# Altium PCB SEG_pressure gauge_don  V2.5.PcbDoc
Units mil, origin at the board's own origin, x right, y up, seen from the top; angles counter-clockwise.
Board outline 2671.27 x 2667.03 mil, 2 copper layers (Top Layer, Bottom Layer); 43 components, 51 nets, 157 pads, 0 vias.
Unrouted connection lines stored in the file: 94.
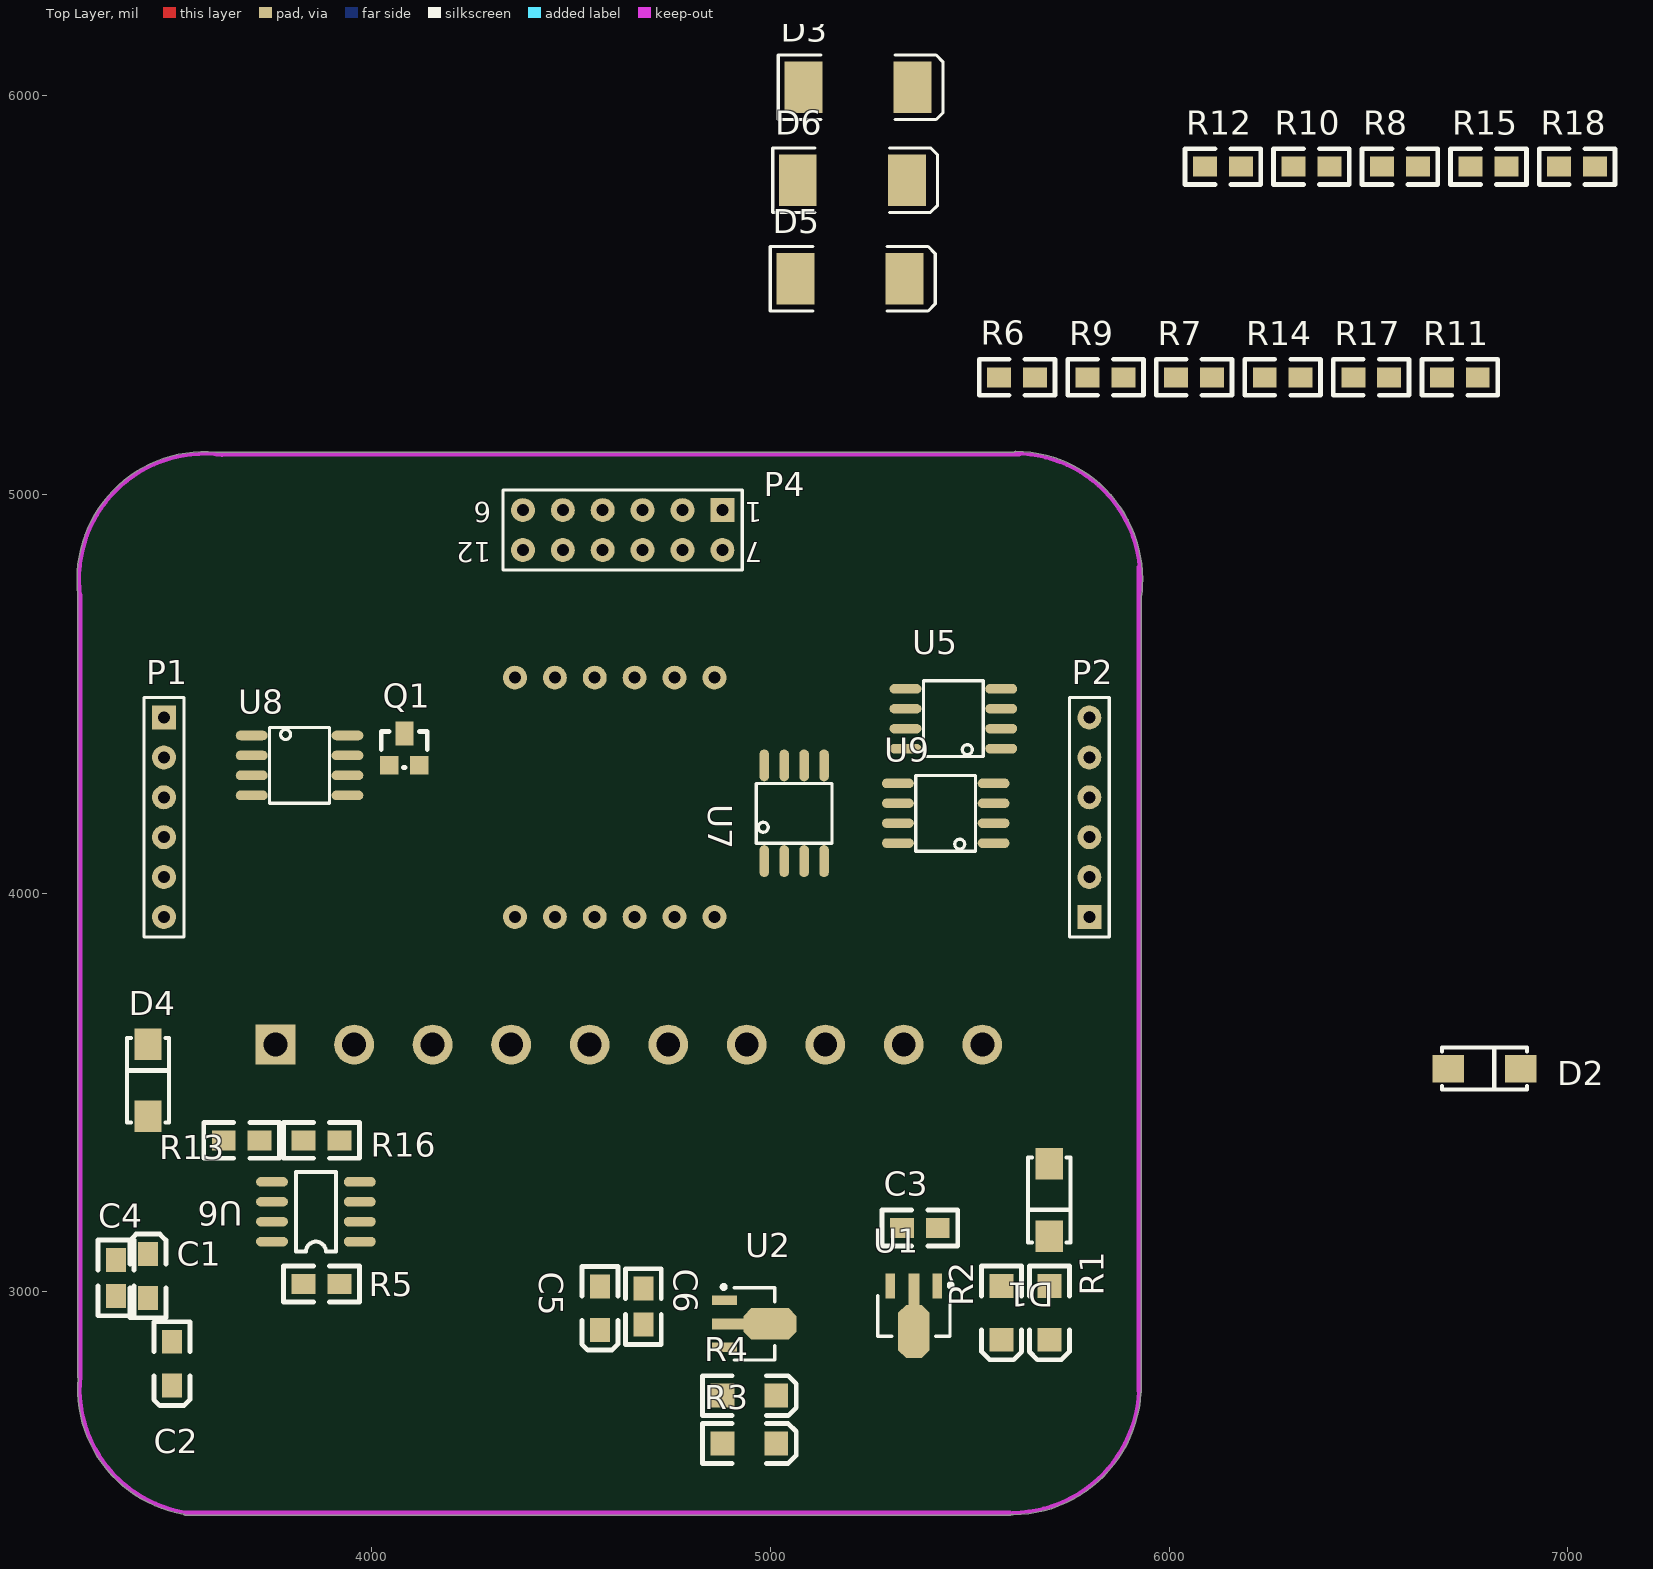
[diagram p0: Top Layer view]
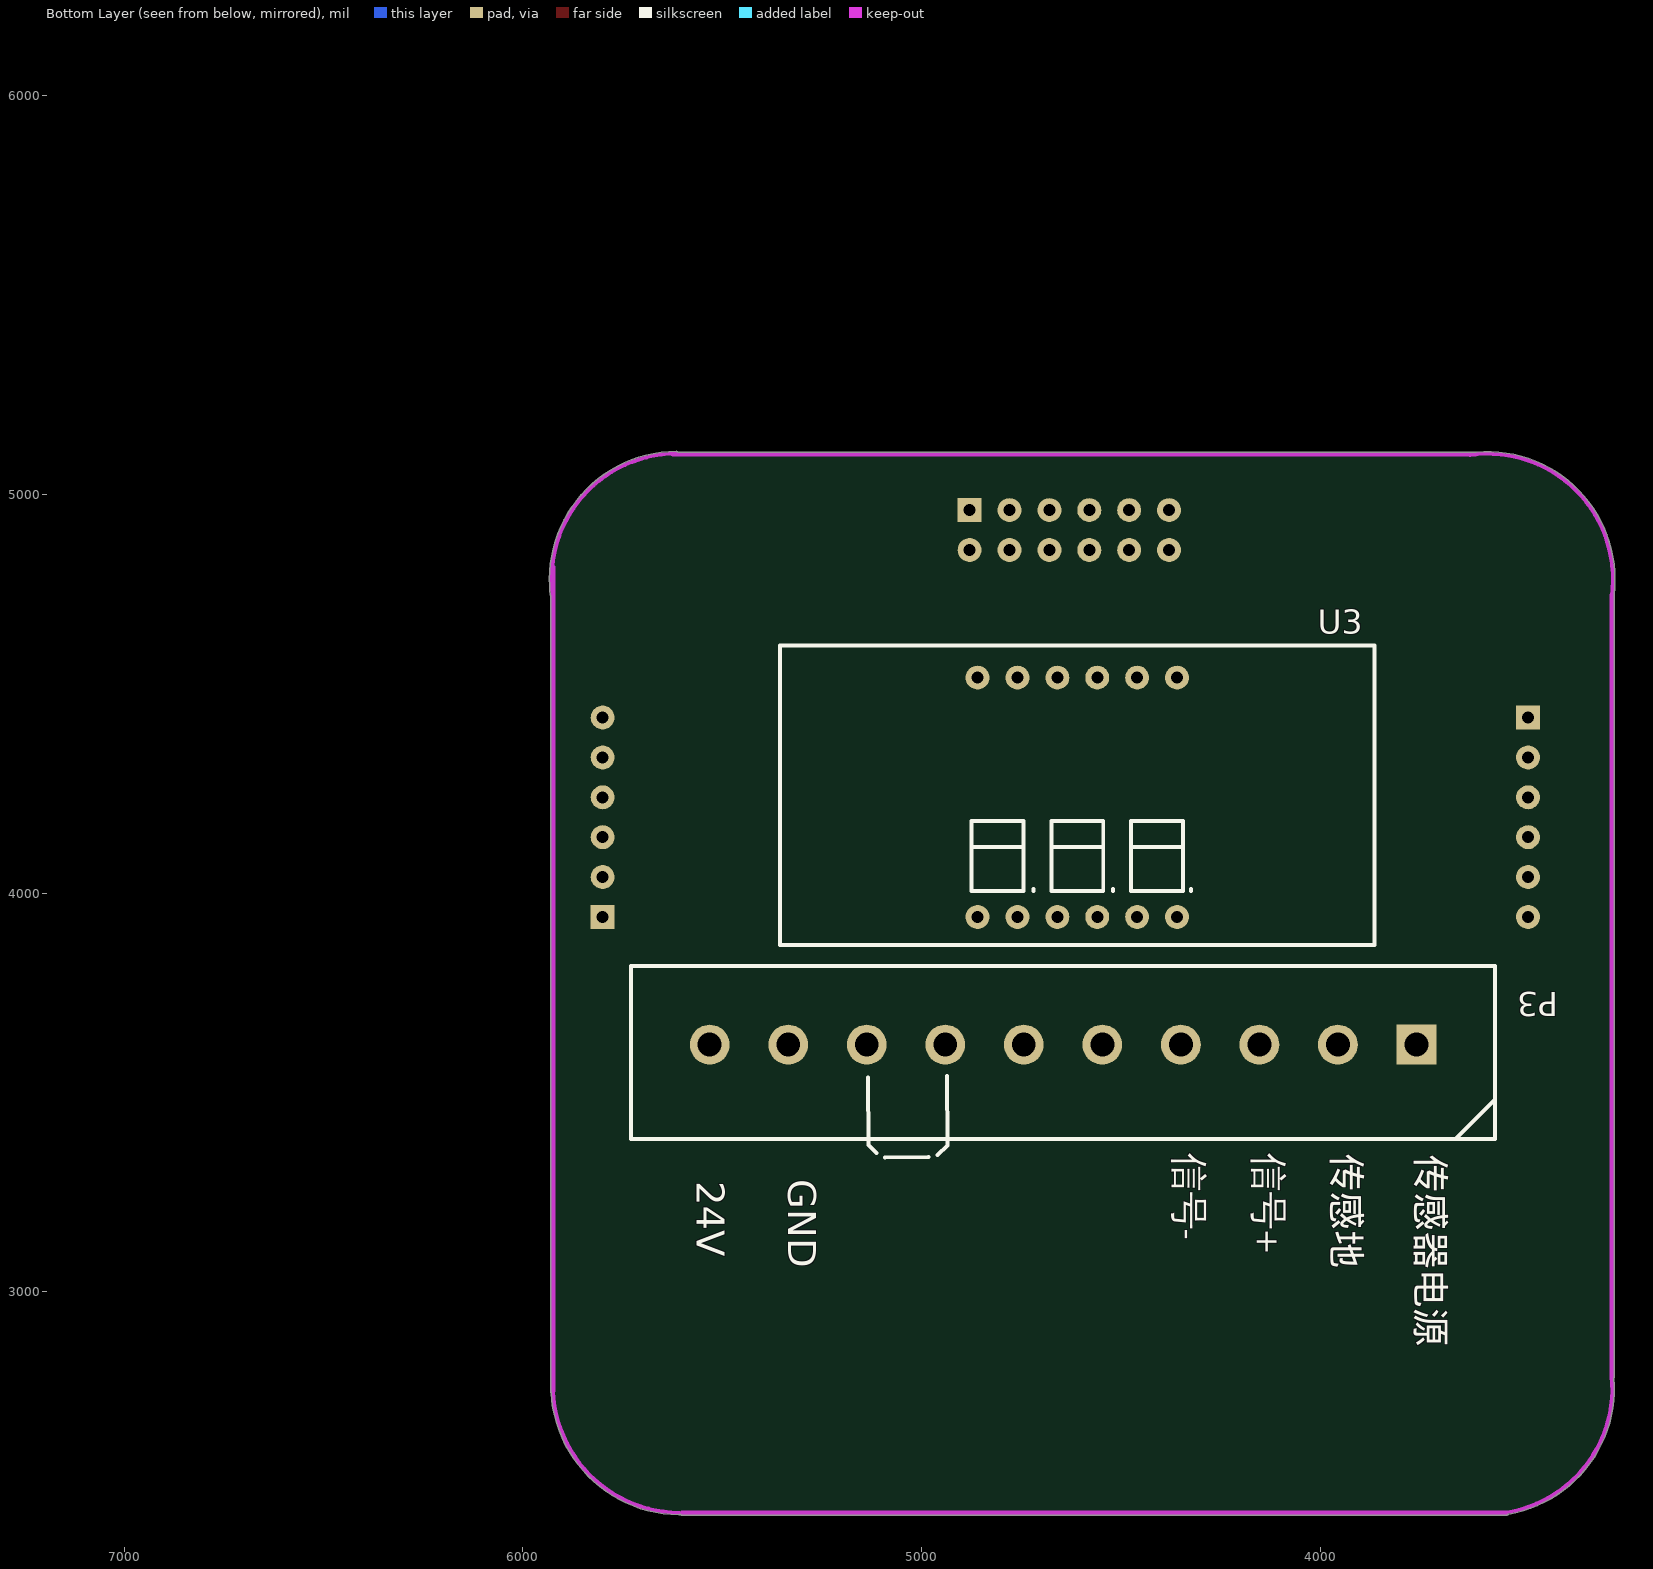
[diagram p1: Bottom Layer view, seen from below]

## Layer stack, top to bottom
Top Layer: signal copper 1.4
Dielectric: core 12.6, FR-4, Dk 4.8
Bottom Layer: signal copper 1.4

## Board outline
3534,2440.26 3547.23,2440.26 ccw(c3583.65,2758.16) 3549.46,2440.01 ccw(c3550,2445) 3551.64,2440.26 5601,2440.26 ccw(c5601,2446.18) 5605.62,2442.48 ccw(c5609,2446.18) 5609.06,2441.17 ccw(c5604.95,2765.95) 5929.22,2747.15 ccw(c5924.72,2751) 5930.64,2751 5930.64,4745.78 ccw(c5925.85,4747.26) 5930.83,4746.63 ccw(c5613.42,4787.04) 5933.39,4787.04 ccw(c5613.42,4787.04) 5615.03,5107.02 5615.03,5107.01 ccw(c5615,5102) 5611.56,5105.64 3612,5105.64 ccw(c3612,5099.72) 3610.3,5105.4 ccw(c3582.1,4786.67) 3264.42,4748.38 ccw(c3270.18,4747) 3264.26,4747 3264.26,2786 ccw(c3270.18,2786) 3264.7,2783.75 ccw(c3583.65,2758.16) 3529.09,2442.87 ccw(c3534,2446.18)

## Design rules (kind name [scope] priority, off if disabled: settings)
Clearance [All] p1: gap=15
PolygonConnect [All] p1: connectstyle=Relief reliefconductorwidth=10 reliefentries=4 polygonreliefangle="90 Angle"
RoomDefinition "SEG_pressure gauge_don  V2.5" [InComponentClass('SEG_pressure gauge_don  V2.5')] p1: confinementstyle=ConfineIn formatcopy=TRUE lockcomponents=FALSE outline 0,0 2000,0 2000,1000 0,1000
RoutingVias [All] p1: holewidth=25 width=50 viastyle="Through Hole" minholewidth=20 minwidth=50 maxholewidth=28 maxwidth=150
SilkscreenOverComponentPads [All] p1: minsilkscreentomaskgap=10
SolderMaskExpansion [All] p1: expansion=4
Width [All] p1: maxlimit=50 minlimit=6 preferedwidth=8
27 further rules are at their usual default settings.

## Components (designator, comment, footprint, x,y, rotation, side; value= is the part's Value field where it differs from the comment)
C1 "10uf" 3216 3440,3040 r90 top
C2 "10uf" 3216 3500,2820 r270 top
C3 "100nf" 0805_C_Y 5420,3160 r180 top
C4 "100nf" 0805_C_Y 3360,3080 r270 top
C5 "10uf" 3216 4573,2959 r270 top
C6 "100nf" 0805_C_Y 4682,2918 r90 top
D1 "SMAJ30CA" DO-214 5700,3321.1 r270 top
D2 "Diode 1N5402" DO-214 6700,3560 r0 top
D3 "SMBJ12CA" DSO-C2/X3.3 5220,6020 r0 top
D4 "SMAJ5.0CA" DO-214 3440,3440 r90 top
D5 "SMBJ12CA" DSO-C2/X3.3 5200,5540 r0 top
D6 "SMBJ12CA" DSO-C2/X3.3 5206,5787.16 r0 top
P1 "Header 6" HDR1X6 3480,4440 r270 top locked
P2 "Header 6" HDR1X6 5800,3940 r90 top locked
P3 "Header 10H" HDR1X10H 3760,3620 r0 bottom locked
P4 "Header 6X2*2.54" HDR2X6_CEN 4880,4960 r180 top locked
Q1 "9012" SOT-23_Y 4082.5,4360 r0 top
R1 "56/2W" 1206 5700,2880 r90 top
R2 "56/2W" 1206 5580,2880 r90 top
R3 "56/2W" 1206 5015,2620 r180 top
R4 "56/2W" 1206 5015,2740 r180 top
R5 "10k" 0805_R_Y 3920,3020 r180 top
R6 "470" 0805_R_Y 5573.78,5293 r0 top
R7 "4.7K" 0805_R_Y 6017.78,5293 r0 top
R8 "20" 0805_R_Y 6533.78,5821 r0 top
R9 "1K" 0805_R_Y 5795.78,5293 r0 top
R10 "20" 0805_R_Y 6311.78,5821 r0 top
R11 "330" 0805_R_Y 6683.78,5293 r0 top
R12 "4.7K" 0805_R_Y 6089.78,5821 r0 top
R13 "10k" 0805_R_Y 3720,3380 r180 top
R14 "4.7K" 0805_R_Y 6239.78,5293 r0 top
R15 "4.7K" 0805_R_Y 6755.78,5821 r0 top
R16 "1k" 0805_R_Y 3920,3380 r180 top
R17 "330" 0805_R_Y 6461.78,5293 r0 top
R18 "4.7K" 0805_R_Y 6977.78,5821 r0 top
U1 "MC7812CT" SOT89M 5360,2940 r270 top
U2 "LM1117MP-3.3" SOT89M 4960,2920 r0 top
U3 "3位共阳极数码管" 3位数码管0.56 4860,3940 r180 bottom locked
U5 "6N137" SO8NB 5459,4437 r90 top
U6 "AD620AR" SO-8_Y 3971,3126 r180 top
U7 "DS485N" SO8NB 5060,4200 r0 top
U8 "6N137" SO8NB 3820,4320 r270 top
U9 "6N137" SO8NB 5440,4200 r90 top

## Footprints (in the part's own frame and the unit in brackets; to place one, negate y for a bottom-side part, rotate by r counter-clockwise, add the part's x,y. Pads: shape width x height; smd on the part's side, far side on the other; paste and mask are expansions set on the pad)
3位数码管0.56 [mil]
  round 60 hole 30: 1(0,600) 2(300,600) 3(400,600) 6(500,0) a(100,600) b(500,600) c(300,0) d(100,0) dot(200,0) e(0,0) f(200,600) g(400,0)
  silkscreen extent -495,-70 995,680
0805_C_Y [mil] "0805贴片电容（已加焊）"
  rect 60x50 smd: 1(0,0) 2(90,0)
  silkscreen extent -50,-45 140,45, body extent -27,-25 117,25, height 14
0805_R_Y [mil] "0805贴片电阻（已加焊）"
  rect 60x50 smd: 1(0,0) 2(90,0)
  silkscreen extent -50,-45 140,45, body extent -27,-25 117,25, height 14
1206 [mil] "作者：王千会"
  rect 60x60 smd: 1(0,0) 2(135,0)
  silkscreen extent -50,-50 185,50, body extent 5,-31 130,31, height 63
3216 [mil]
  rect 60x50 smd: 1(55,0) 2(-55,0)
  silkscreen extent -105,-45 105,45, body extent -63,-31 63,31, height 63
DO-214 [mm]
  rect 2x1.75 smd: 1(0,0) 2(4.6,0)
  silkscreen extent -0.4,-1.35 5,1.35, body extent -0.2,-1.34 4.91,1.33, height 2.12
DSO-C2/X3.3 [mm] "DO-214-AB/SMC; 2 C-Bend Leads; Body 7.9 x 5.9 mm, inc. leads (LxW)"
  rect 2.4x3.3 smd: 1(-3.475,0) 2(3.475,0)
  silkscreen extent -5.07,-2.05 5.43,2.05
HDR1X6 [mil] "Connector; Header; 6 Position"
  rect 60x60 hole 30: 1(0,0)
  round 60 hole 30: 2(100,0) 3(200,0) 4(300,0) 5(400,0) 6(500,0)
  silkscreen extent -50,-50 550,50
HDR1X10H [mil] "Connector; Header; 10 Position; Right Angle"
  rect 100x100 hole 60: 1(0,0)
  round 100 hole 60: 2(196.85,0) 3(393.7,0) 4(590.55,0) 5(787.4,0) 6(984.25,0) 7(1181.1,0) 8(1377.95,0) 9(1574.8,0) 10(1771.65,0)
  silkscreen extent -197,-197 1969,236
HDR2X6_CEN [mil] "Connector; Header; 6x2 Position"
  rect 60x60 hole 30: 1(0,0)
  round 60 hole 30: 2(100,0) 3(200,0) 4(300,0) 5(400,0) 6(500,0) 7(0,100) 8(100,100) 9(200,100) 10(300,100) 11(400,100) 12(500,100)
  silkscreen extent -50,-50 550,150
SO8NB [mil]
  oval 24x80 smd: 1(-75,-120) 2(-25,-120) 3(25,-120) 4(75,-120) 5(75,120) 6(25,120) 7(-25,120) 8(-75,120)
  silkscreen extent -95,-75 95,75, body extent -97,-118 96,118, height 61
SO-8_Y [mil] "AD780AR（已加焊）"
  oval 80x24 smd: 1(0,0) 2(0,-50) 3(0,-100) 4(0,-150) 5(220,-150) 6(220,-100) 7(220,-50) 8(220,0)
  silkscreen extent 60,-175 160,25, body extent -40,-174 260,23, height 69
SOT89M [mm] "SOT89, 3-Leads, Body 4.5x2.4 mm, Pitch 1.5mm, Lead Span 4.1mm, IPC Low Density"
  rect 1.6x0.6 smd: 1(-1.9,1.5) 3(-1.9,-1.5)
  rect 2x0.7 smd: 2(-1.7,0)
  oct 3.4x2 smd: 2(1,0)
  silkscreen extent -2.07,-2.3 1.3,2.48, body extent -1.3,-2.3 1.3,2.3, height 1.6
SOT-23_Y [mil] "IMP809T（已加焊）"
  rect 46x46 smd: 1(-37.5,-40) 2(37.5,-40)
  rect 46x60 smd: 3(0.5,40)
  silkscreen extent -58,-45 58,45, body extent -60,-63 61,70, height 39

## Part data
C1 C2 C5: library part "Cap Pol2", "Polarized Capacitor (Axial)"
C3 C4 C6: library part Cap, "Capacitor"
D1: library part "Diode 1N4007", "1 Amp General Purpose Rectifier"
D2: "3 Amp General Purpose Rectifier"
D3 D5 D6: library part Diode, "Default Diode"
D4: library part "Diode 1N5402", "3 Amp General Purpose Rectifier"
P1 P2: "Header, 6-Pin"
P3: "Header, 10-Pin, Right Angle"
P4: library part "Header 6X2A", "Header, 6-Pin, Dual row"
Q1: library part 2N3906, "PNP General Purpose Amplifier"
R1 R2 R3 R4 R5 R6 R7 R8 R9 R10 R11 R12 R13 R14 R15 R16 R17 R18: library part Res2, "Resistor"
U1: "Three-Terminal Positive Voltage Regulator"
U2: "800mA Low-Dropout Linear Regulator"
U5 U8 U9: "高速光耦"
U6: "Low-Cost, Low-Power Instrumentation Amplifier"
U7: "Low-Power RS-485/RS-422 Multipoint Transceiver"

## Nets (pads, with @x,y where several pads share a name; then routed paths per layer and width w, separated by ;. In a path a pad name is that pad's centre, name@x,y a point inside that pad or via, vN(x,y) a via of type N, cw(c..) or ccw(c..) an arc to the next point about the centre after c; other vN are vias at no path point)
3.3V: C5.1 C6.1 P1.6 R7.2 R11.2 R17.2 U2.2@4999.37,2920 U5.8
5V: 
12V: C1.1 C4.1 P3.1 R3.1 R4.1 R13.2 U1.3 U6.7
24V: D1.2 D2.2 R1.1 R2.1
24VIN: D1.1 P3.10
AD0: D4.2 P1.2 U6.6
AD1: P1.3
BACK1: P2.4
BACK2: P2.3
CONTROL1: P2.2
CONTROL2: P2.1
GND: C1.2 C2.2 C3.2 C4.2 C5.2 C6.2 D2.1 D4.1 P1.1 P1.5 P3.2 P3.9 R16.1 U1.2@5360,2900.63 U2.1 U5.5 U6.4 U8.3
GND485: D5.1 D6.1 R15.1 U5.3 U7.5 U8.5 U9.5
IN1: P3.3 U6.3
IN2: P3.4 U6.2
NetC2_1: C2.1 C3.1 R1.2 R2.2 U1.1
NetD3_1: D3.1 D5.2 R10.2 U7.6
NetD3_2: D3.2 D6.2 R8.2 U7.7
NetQ1_2: Q1.2 R9.1
NetQ1_3: Q1.3 R6.2
NetR3_2: R3.2 R4.2 U2.3
NetR5_1: R5.1 U6.1
NetR5_2: R5.2 U6.8
NetR6_1: R6.1 U5.2
NetR8_1: R8.1 R15.2
NetR9_2: R9.2 U7.1
NetR10_1: R10.1 R14.2
NetR12_1: R12.1 U7.2 U7.3 U8.6
NetR13_1: R13.1 R16.2 U6.5
NetR17_1: R17.1 U9.2
NetR18_1: R18.1 U7.4 U9.6
OUT4-20_1: P3.7
OUT4-20_2: P3.8
OUT_A1: P3.5
OUT_B1: P3.6
PWM: P1.4
R/D: R11.1 U8.2
RX: P2.5 R7.1 U5.6
SEG1: P4.12 U3.a
SEG2: P4.7 U3.b
SEG3: P4.9 U3.c
SEG4: P4.4 U3.d
SEG5: P4.11 U3.e
SEG6: P4.5 U3.f
SEG7: P4.8 U3.g
SEG8: P4.10 U3.dot
SEG9: P4.6 U3.1
SEG10: P4.2 U3.2
SEG11: P4.1 U3.3
TX: P2.6 U9.3
VCC485: Q1.1 R12.2 R14.1 R18.2 U7.8 U8.8 U9.8
pads on no net: P4.3 U1.2@5360,3006.93 U2.2@4893.07,2920 U3.6 U5.1 U5.4 U5.7 U8.1 U8.4 U8.7 U9.1 U9.4 U9.7

## Keep-outs
Keep-Out Layer:
  lines w10: 3270.18,4743 cw(c3582.1,4786.67) 3625.77,5098.58 ; 3270.24,2789.28 ccw(c3583.65,2758.16) 3550,2445 ; 5609,2446.18 ccw(c5604.95,2765.95) 5924.72,2770 ; 5615,5102 cw(c5613.42,4787.04) 5925.85,4747.26
  lines w11.81: 3270.18,2786 3270.18,4747 ; 3534,2446.18 5601,2446.18 ; 3612,5099.72 5624,5099.72 ; 5924.72,2751 5924.72,4818

## Silkscreen, mask and mechanical layers (free items; w line width, h text height)
Bottom Overlay:
  lines w10: 4937,3541 4935.99,3367.29 4960,3343 ; 4983.02,3337.65 5092.22,3337.02 ; 5114,3348 5134.02,3367.78 5135,3537
  text "模拟量输出" at 8201,3382 h120 r90
  text "传感地" at 3992,3348 h120 r90
  text "信号+" at 4187,3348 h120 r90
  text "信号-" at 4386,3348 h120 r90
  text "传感器电源" at 3782,3345 h120 r90
  text "GND" at 5359,3282 h120 r90
  text "24V" at 5588,3277 h120 r90
Drill Drawing:
  text ".LEGEND" at 630.91,5965 h60
  text "Drill Drawing." at 630.91,5865 h60

## Text inside footprints (layer, text, board x,y; h text height)
P4: Top Overlay "12" at 4300,4880 h50 r180; Top Overlay "6" at 4300,4980 h50 r180; Top Overlay "1" at 4980,4980 h50 r180; Top Overlay "7" at 4980,4880 h50 r180